# Altium PCB 10515.0501_主板(8拼版)_V1.0-20200907.PcbDoc (part 6 of 6)
Units mm, origin at the board's own origin, x right, y up, seen from the top; angles counter-clockwise.
Board outline 229.4 x 126.82 mm, 2 copper layers (Top Layer, Bottom Layer); 560 components, 0 nets, 2350 pads, 1248 vias.
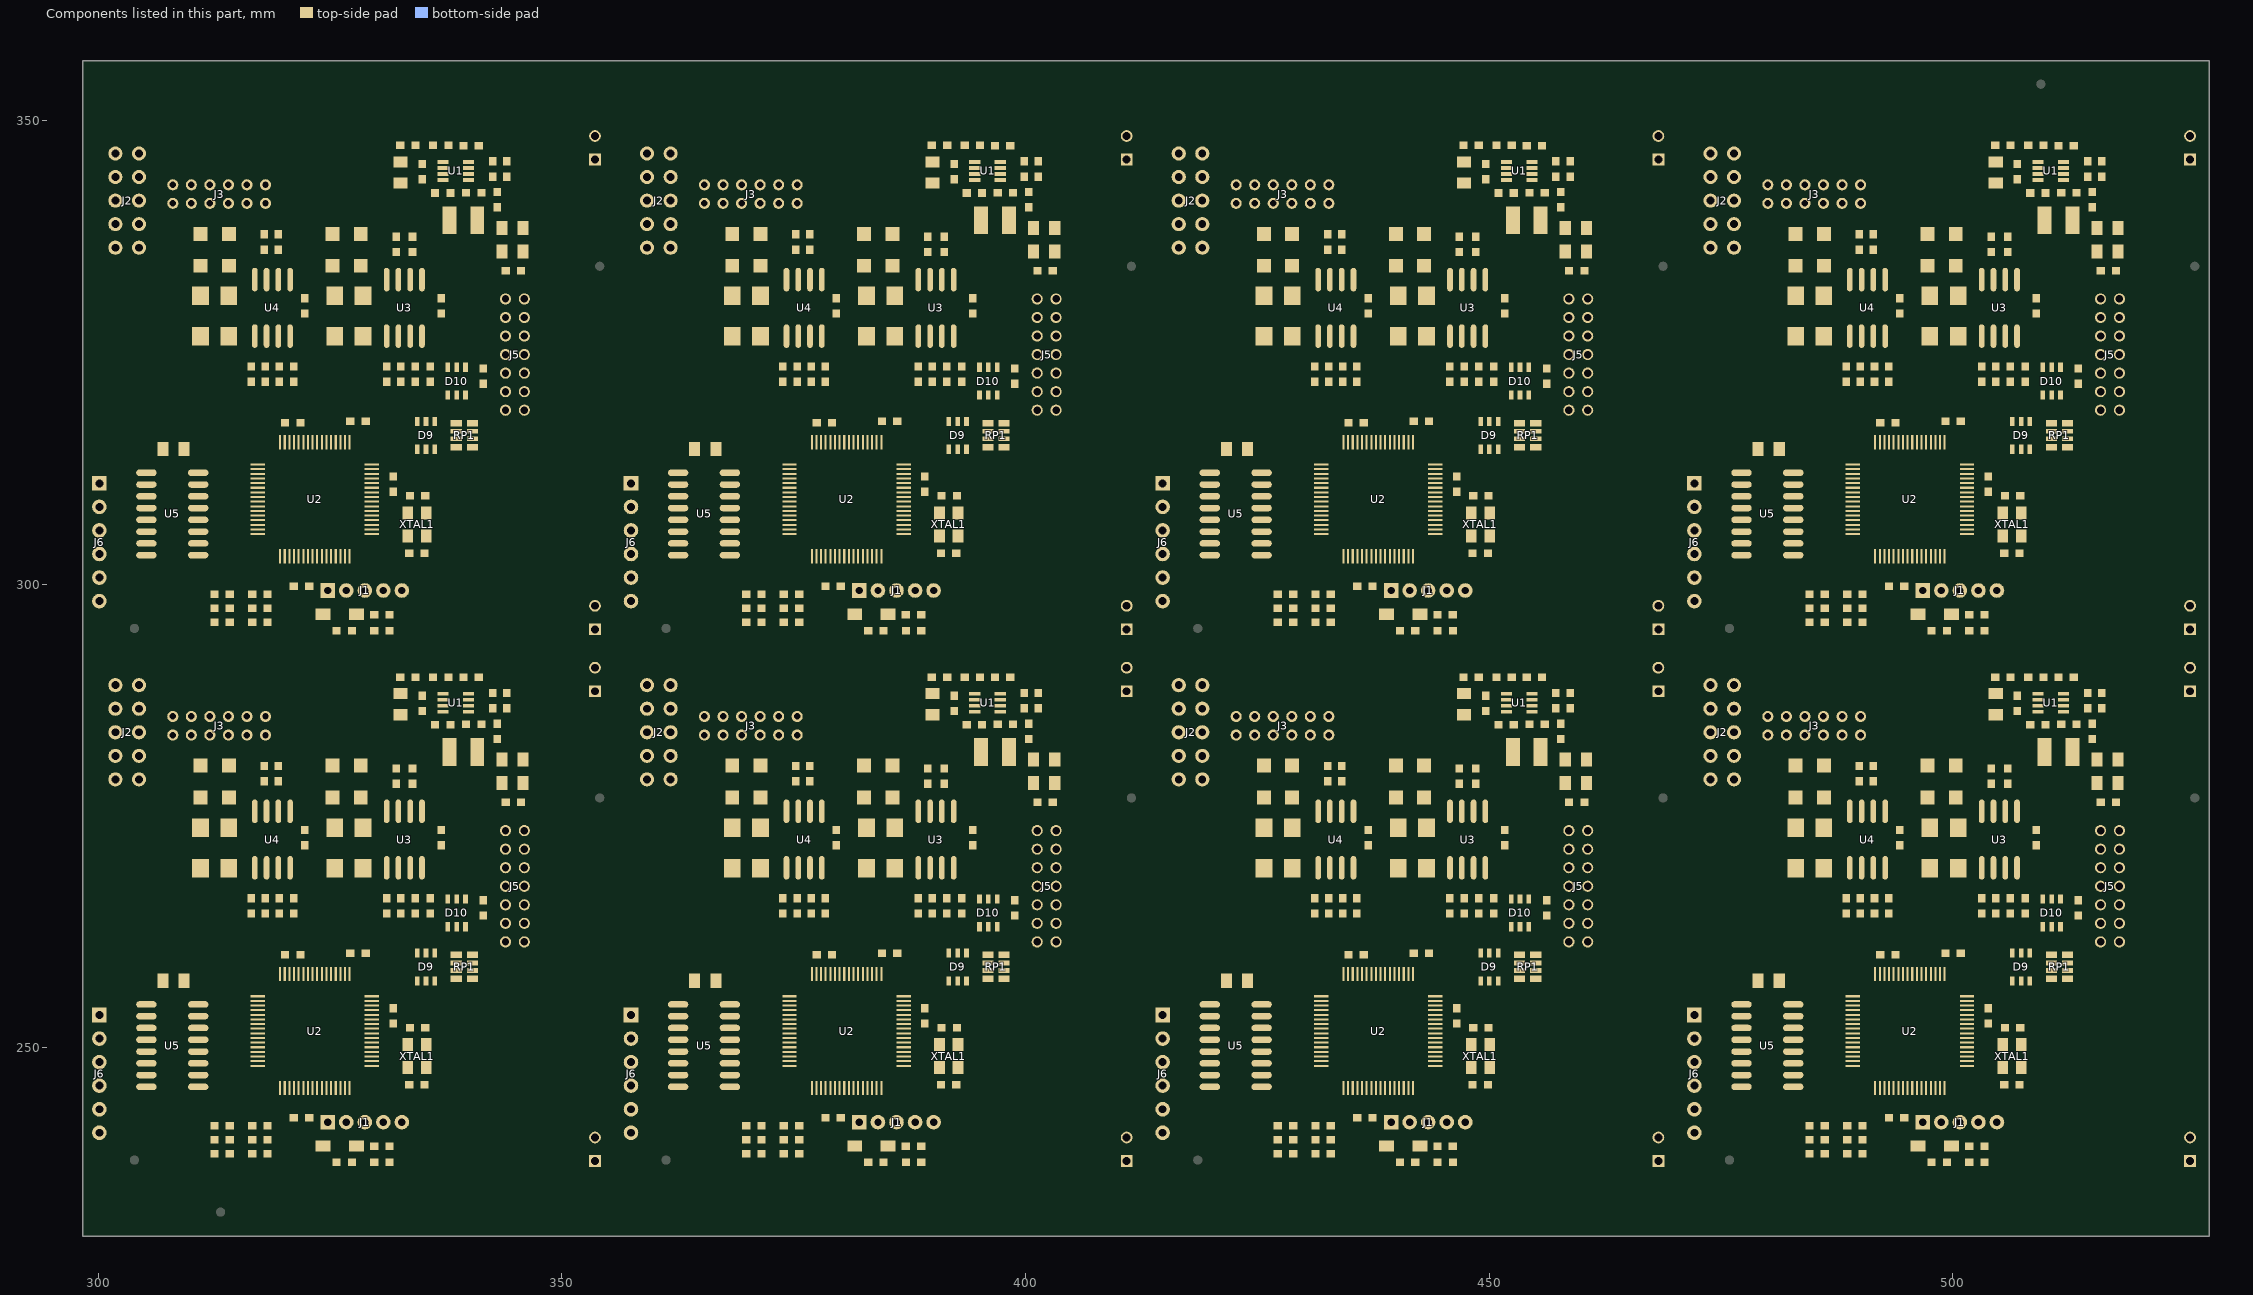
[diagram p6: the components of this part, seen from the top]

## Polygon pours and split planes (outlines as drawn) (continued)
no net on Top Layer "Top Layer-No Net" (hatched 90Degree grid 0.508 track 0.508, remove dead copper, pour order 1001): 470.622,293.981 471.652,292.951 526.385,292.951 527.7,294.266 527.7,348.99 526.388,350.303 471.652,350.303 470.351,349.003 470.351,294.251
no net on Top Layer "Top Layer-No Net" (hatched 90Degree grid 0.508 track 0.508, remove dead copper, pour order 1001): 298.572,236.631 299.602,235.601 354.335,235.601 355.65,236.916 355.65,291.64 354.338,292.953 299.602,292.953 298.301,291.653 298.301,236.901
no net on Top Layer "Top Layer-No Net" (hatched 90Degree grid 0.508 track 0.508, remove dead copper, pour order 1001): 355.922,236.631 356.952,235.601 411.685,235.601 413,236.916 413,291.64 411.688,292.953 356.952,292.953 355.651,291.653 355.651,236.901
no net on Top Layer "Top Layer-No Net" (hatched 90Degree grid 0.508 track 0.508, remove dead copper, pour order 1001): 413.272,236.631 414.302,235.601 469.035,235.601 470.35,236.916 470.35,291.64 469.038,292.953 414.302,292.953 413.001,291.653 413.001,236.901
no net on Top Layer "Top Layer-No Net" (hatched 90Degree grid 0.508 track 0.508, remove dead copper, pour order 1001): 470.622,236.631 471.652,235.601 526.385,235.601 527.7,236.916 527.7,291.64 526.388,292.953 471.652,292.953 470.351,291.653 470.351,236.901

## Keep-outs
Keep-Out Layer:
  circle w0.1: c520.954,353.949 r1
  circle w0.1: c304.038,353.441 r1
  circle w0.1: c303.149,232.283 r1
  circle w0.1: c518.16,232.664 r1
  lines w0.127: 298.299,237.049 298.299,229.665 527.7,229.665 527.7,237.034 ; 298.301,291.77 298.301,291.77 ; 298.301,291.77 299.602,293.07 354.338,293.07 355.653,291.755 ; 298.301,291.77 298.301,273.834 301.951,271.727 303.301,270.377 303.301,269.389 303.301,259.4 303.301,258.412 301.951,257.062 298.301,254.954 298.301,237.019 299.602,235.719 ; 298.301,349.12 298.301,356.489 527.703,356.489 527.703,349.105 ; 298.301,349.12 298.301,349.12 ; 298.301,349.12 299.602,350.42 354.338,350.42 355.653,349.105 ; 298.301,349.12 298.301,331.184 301.951,329.077 303.301,327.727 303.301,326.739 303.301,316.75 303.301,315.762 301.951,314.412 298.301,312.304 298.301,294.369 299.602,293.069 ; 299.602,235.719 299.602,235.719 ; 299.602,235.719 354.338,235.719 354.338,235.721 355.65,237.034 355.653,254.954 352.003,257.062 350.653,258.412 350.653,259.4 350.653,269.389 350.653,270.377 352.003,271.727 355.653,273.834 355.653,291.755 ; 299.602,293.069 299.602,293.069 ; 299.602,293.069 354.338,293.069 354.338,293.071 355.65,294.384 355.653,312.304 352.003,314.412 350.653,315.762 350.653,316.75 350.653,326.739 350.653,327.727 352.003,329.077 355.653,331.184 355.653,349.105 ; 355.651,291.77 355.651,291.77 ; 355.651,291.77 356.952,293.07 411.688,293.07 413.003,291.755 ; 355.651,291.77 355.651,273.834 359.301,271.727 360.651,270.377 360.651,269.389 360.651,259.4 360.651,258.412 359.301,257.062 355.651,254.954 355.651,237.019 356.952,235.719 ; 355.651,349.12 355.651,349.12 ; 355.651,349.12 356.952,350.42 411.688,350.42 413.003,349.105 ; 355.651,349.12 355.651,331.184 359.301,329.077 360.651,327.727 360.651,326.739 360.651,316.75 360.651,315.762 359.301,314.412 355.651,312.304 355.651,294.369 356.952,293.069 ; 355.653,291.755 355.653,291.755 ; 355.653,349.105 355.653,349.105 ; 356.952,235.719 356.952,235.719 ; 356.952,235.719 411.688,235.719 411.688,235.721 413,237.034 413.003,254.954 409.353,257.062 408.003,258.412 408.003,259.4 408.003,269.389 408.003,270.377 409.353,271.727 413.003,273.834 413.003,291.755 ; 356.952,293.069 356.952,293.069 ; 356.952,293.069 411.688,293.069 411.688,293.071 413,294.384 413.003,312.304 409.353,314.412 408.003,315.762 408.003,316.75 408.003,326.739 408.003,327.727 409.353,329.077 413.003,331.184 413.003,349.105 ; 413.001,291.77 413.001,291.77 ; 413.001,291.77 414.302,293.07 469.038,293.07 470.353,291.755 ; 413.001,291.77 413.001,273.834 416.651,271.727 418.001,270.377 418.001,269.389 418.001,259.4 418.001,258.412 416.651,257.062 413.001,254.954 413.001,237.019 414.302,235.719 ; 413.001,349.12 413.001,349.12 ; 413.001,349.12 414.302,350.42 469.038,350.42 470.353,349.105 ; 413.001,349.12 413.001,331.184 416.651,329.077 418.001,327.727 418.001,326.739 418.001,316.75 418.001,315.762 416.651,314.412 413.001,312.304 413.001,294.369 414.302,293.069 ; 413.003,291.755 413.003,291.755 ; 413.003,349.105 413.003,349.105 ; 414.302,235.719 414.302,235.719 ; 414.302,235.719 469.038,235.719 469.038,235.721 470.35,237.034 470.353,254.954 466.703,257.062 465.353,258.412 465.353,259.4 465.353,269.389 465.353,270.377 466.703,271.727 470.353,273.834 470.353,291.755 ; 414.302,293.069 414.302,293.069 ; 414.302,293.069 469.038,293.069 469.038,293.071 470.35,294.384 470.353,312.304 466.703,314.412 465.353,315.762 465.353,316.75 465.353,326.739 465.353,327.727 466.703,329.077 470.353,331.184 470.353,349.105 ; 470.351,291.77 470.351,291.77 ; 470.351,291.77 471.652,293.07 526.388,293.07 527.703,291.755 ; 470.351,291.77 470.351,273.834 474.001,271.727 475.351,270.377 475.351,269.389 475.351,259.4 475.351,258.412 474.001,257.062 470.351,254.954 470.351,237.019 471.652,235.719 ; 470.351,349.12 470.351,349.12 ; 470.351,349.12 471.652,350.42 526.388,350.42 527.703,349.105 ; 470.351,349.12 470.351,331.184 474.001,329.077 475.351,327.727 475.351,326.739 475.351,316.75 475.351,315.762 474.001,314.412 470.351,312.304 470.351,294.369 471.652,293.069 ; 470.353,291.755 470.353,291.755 ; 470.353,349.105 470.353,349.105 ; 471.652,235.719 471.652,235.719 ; 471.652,235.719 526.388,235.719 526.388,235.721 527.7,237.034 ; 471.652,293.069 471.652,293.069 ; 471.652,293.069 526.388,293.069 526.388,293.071 527.7,294.384 527.703,312.304 524.053,314.412 522.703,315.762 522.703,316.75 522.703,326.739 522.703,327.727 524.053,329.077 527.703,331.184 527.703,349.105 ; 527.7,237.034 527.703,254.954 524.053,257.062 522.703,258.412 522.703,259.4 522.703,269.389 522.703,270.377 524.053,271.727 527.703,273.834 527.703,291.755 ; 527.703,291.755 527.703,291.755 ; 527.703,349.105 527.703,349.105

## Other copper
Top Layer:
  pour cut-out: 323.977,334.385 324.739,333.623 327.553,333.623 329.191,335.262 329.191,337.578 329.057,337.712 324.129,337.712 323.977,337.56
  pour cut-out: 309.753,331.845 310.261,331.337 314.96,331.337 315.087,331.464 315.087,337.178 309.754,337.178 309.753,337.179
  pour cut-out: 309.499,329.94 309.499,326.13 309.753,325.876 314.579,325.876 315.087,326.384 315.087,329.686 315.341,329.94
  pour cut-out: 320.548,331.972 321.945,330.575 321.945,329.686 320.675,328.416 317.246,328.416 315.849,329.813 317.119,331.083 317.119,331.972
  pour cut-out: 323.977,330.448 323.977,327.654 324.739,326.892 329.311,326.892 329.692,327.273 329.692,330.321 324.292,330.321 324.231,330.382
  pour cut-out: 328.803,305.048 327.533,303.778 327.533,300.857 327.93,301.254 329.057,301.254 329.565,301.762 329.565,305.175 329.057,305.175 329.057,305.429
  pour cut-out: 321.691,299.968 324.104,299.968 324.485,299.587 324.485,298.551 323.997,298.063 322.326,298.063 322.199,297.936 321.691,298.444
  pour cut-out: 381.327,334.385 382.089,333.623 384.903,333.623 386.541,335.262 386.541,337.578 386.407,337.712 381.479,337.712 381.327,337.56
  pour cut-out: 367.103,331.845 367.611,331.337 372.31,331.337 372.437,331.464 372.437,337.178 367.104,337.178 367.103,337.179
  pour cut-out: 366.849,329.94 366.849,326.13 367.103,325.876 371.929,325.876 372.437,326.384 372.437,329.686 372.691,329.94
  pour cut-out: 377.898,331.972 379.295,330.575 379.295,329.686 378.025,328.416 374.596,328.416 373.199,329.813 374.469,331.083 374.469,331.972
  pour cut-out: 381.327,330.448 381.327,327.654 382.089,326.892 386.661,326.892 387.042,327.273 387.042,330.321 381.642,330.321 381.581,330.382
  pour cut-out: 386.153,305.048 384.883,303.778 384.883,300.857 385.28,301.254 386.407,301.254 386.915,301.762 386.915,305.175 386.407,305.175 386.407,305.429
  pour cut-out: 379.041,299.968 381.454,299.968 381.835,299.587 381.835,298.551 381.347,298.063 379.676,298.063 379.549,297.936 379.041,298.444
  pour cut-out: 438.677,334.385 439.439,333.623 442.253,333.623 443.891,335.262 443.891,337.578 443.757,337.712 438.829,337.712 438.677,337.56
  pour cut-out: 424.453,331.845 424.961,331.337 429.66,331.337 429.787,331.464 429.787,337.178 424.454,337.178 424.453,337.179
  pour cut-out: 424.199,329.94 424.199,326.13 424.453,325.876 429.279,325.876 429.787,326.384 429.787,329.686 430.041,329.94
  pour cut-out: 435.248,331.972 436.645,330.575 436.645,329.686 435.375,328.416 431.946,328.416 430.549,329.813 431.819,331.083 431.819,331.972
  pour cut-out: 438.677,330.448 438.677,327.654 439.439,326.892 444.011,326.892 444.392,327.273 444.392,330.321 438.992,330.321 438.931,330.382
  pour cut-out: 443.503,305.048 442.233,303.778 442.233,300.857 442.63,301.254 443.757,301.254 444.265,301.762 444.265,305.175 443.757,305.175 443.757,305.429
  pour cut-out: 436.391,299.968 438.804,299.968 439.185,299.587 439.185,298.551 438.697,298.063 437.026,298.063 436.899,297.936 436.391,298.444
  pour cut-out: 496.027,334.385 496.789,333.623 499.603,333.623 501.241,335.262 501.241,337.578 501.107,337.712 496.179,337.712 496.027,337.56
  pour cut-out: 481.803,331.845 482.311,331.337 487.01,331.337 487.137,331.464 487.137,337.178 481.804,337.178 481.803,337.179
  pour cut-out: 481.549,329.94 481.549,326.13 481.803,325.876 486.629,325.876 487.137,326.384 487.137,329.686 487.391,329.94
  pour cut-out: 492.598,331.972 493.995,330.575 493.995,329.686 492.725,328.416 489.296,328.416 487.899,329.813 489.169,331.083 489.169,331.972
  pour cut-out: 496.027,330.448 496.027,327.654 496.789,326.892 501.361,326.892 501.742,327.273 501.742,330.321 496.342,330.321 496.281,330.382
  pour cut-out: 500.853,305.048 499.583,303.778 499.583,300.857 499.98,301.254 501.107,301.254 501.615,301.762 501.615,305.175 501.107,305.175 501.107,305.429
  pour cut-out: 493.741,299.968 496.154,299.968 496.535,299.587 496.535,298.551 496.047,298.063 494.376,298.063 494.249,297.936 493.741,298.444
  pour cut-out: 323.977,277.035 324.739,276.273 327.553,276.273 329.191,277.912 329.191,280.228 329.057,280.362 324.129,280.362 323.977,280.21
  pour cut-out: 309.753,274.495 310.261,273.987 314.96,273.987 315.087,274.114 315.087,279.828 309.754,279.828 309.753,279.829
  pour cut-out: 309.499,272.59 309.499,268.78 309.753,268.526 314.579,268.526 315.087,269.034 315.087,272.336 315.341,272.59
  pour cut-out: 320.548,274.622 321.945,273.225 321.945,272.336 320.675,271.066 317.246,271.066 315.849,272.463 317.119,273.733 317.119,274.622
  pour cut-out: 323.977,273.098 323.977,270.304 324.739,269.542 329.311,269.542 329.692,269.923 329.692,272.971 324.292,272.971 324.231,273.032
  pour cut-out: 328.803,247.698 327.533,246.428 327.533,243.507 327.93,243.904 329.057,243.904 329.565,244.412 329.565,247.825 329.057,247.825 329.057,248.079
  pour cut-out: 321.691,242.618 324.104,242.618 324.485,242.237 324.485,241.201 323.997,240.713 322.326,240.713 322.199,240.586 321.691,241.094
  pour cut-out: 381.327,277.035 382.089,276.273 384.903,276.273 386.541,277.912 386.541,280.228 386.407,280.362 381.479,280.362 381.327,280.21
  pour cut-out: 367.103,274.495 367.611,273.987 372.31,273.987 372.437,274.114 372.437,279.828 367.104,279.828 367.103,279.829
  pour cut-out: 366.849,272.59 366.849,268.78 367.103,268.526 371.929,268.526 372.437,269.034 372.437,272.336 372.691,272.59
  pour cut-out: 377.898,274.622 379.295,273.225 379.295,272.336 378.025,271.066 374.596,271.066 373.199,272.463 374.469,273.733 374.469,274.622
  pour cut-out: 381.327,273.098 381.327,270.304 382.089,269.542 386.661,269.542 387.042,269.923 387.042,272.971 381.642,272.971 381.581,273.032
  pour cut-out: 386.153,247.698 384.883,246.428 384.883,243.507 385.28,243.904 386.407,243.904 386.915,244.412 386.915,247.825 386.407,247.825 386.407,248.079
  pour cut-out: 379.041,242.618 381.454,242.618 381.835,242.237 381.835,241.201 381.347,240.713 379.676,240.713 379.549,240.586 379.041,241.094
  pour cut-out: 438.677,277.035 439.439,276.273 442.253,276.273 443.891,277.912 443.891,280.228 443.757,280.362 438.829,280.362 438.677,280.21
  pour cut-out: 424.453,274.495 424.961,273.987 429.66,273.987 429.787,274.114 429.787,279.828 424.454,279.828 424.453,279.829
  pour cut-out: 424.199,272.59 424.199,268.78 424.453,268.526 429.279,268.526 429.787,269.034 429.787,272.336 430.041,272.59
  pour cut-out: 435.248,274.622 436.645,273.225 436.645,272.336 435.375,271.066 431.946,271.066 430.549,272.463 431.819,273.733 431.819,274.622
  pour cut-out: 438.677,273.098 438.677,270.304 439.439,269.542 444.011,269.542 444.392,269.923 444.392,272.971 438.992,272.971 438.931,273.032
  pour cut-out: 443.503,247.698 442.233,246.428 442.233,243.507 442.63,243.904 443.757,243.904 444.265,244.412 444.265,247.825 443.757,247.825 443.757,248.079
  pour cut-out: 436.391,242.618 438.804,242.618 439.185,242.237 439.185,241.201 438.697,240.713 437.026,240.713 436.899,240.586 436.391,241.094
  pour cut-out: 496.027,277.035 496.789,276.273 499.603,276.273 501.241,277.912 501.241,280.228 501.107,280.362 496.179,280.362 496.027,280.21
  pour cut-out: 481.803,274.495 482.311,273.987 487.01,273.987 487.137,274.114 487.137,279.828 481.804,279.828 481.803,279.829
  pour cut-out: 481.549,272.59 481.549,268.78 481.803,268.526 486.629,268.526 487.137,269.034 487.137,272.336 487.391,272.59
  pour cut-out: 492.598,274.622 493.995,273.225 493.995,272.336 492.725,271.066 489.296,271.066 487.899,272.463 489.169,273.733 489.169,274.622
  pour cut-out: 496.027,273.098 496.027,270.304 496.789,269.542 501.361,269.542 501.742,269.923 501.742,272.971 496.342,272.971 496.281,273.032
  pour cut-out: 500.853,247.698 499.583,246.428 499.583,243.507 499.98,243.904 501.107,243.904 501.615,244.412 501.615,247.825 501.107,247.825 501.107,248.079
  pour cut-out: 493.741,242.618 496.154,242.618 496.535,242.237 496.535,241.201 496.047,240.713 494.376,240.713 494.249,240.586 493.741,241.094

## Silkscreen, mask and mechanical layers (free items; w line width, h text height)
Top Overlay:
  rectangle: 352.298,293.872 354.838,298.952
  rectangle: 352.298,344.545 354.838,349.625
  rectangle: 409.648,293.872 412.188,298.952
  rectangle: 409.648,344.545 412.188,349.625
  rectangle: 466.998,293.872 469.538,298.952
  rectangle: 466.998,344.545 469.538,349.625
  rectangle: 524.348,293.872 526.888,298.952
  rectangle: 524.348,344.545 526.888,349.625
  rectangle: 352.298,236.522 354.838,241.602
  rectangle: 352.298,287.195 354.838,292.275
  rectangle: 409.648,236.522 412.188,241.602
  rectangle: 409.648,287.195 412.188,292.275
  rectangle: 466.998,236.522 469.538,241.602
  rectangle: 466.998,287.195 469.538,292.275
  rectangle: 524.348,236.522 526.888,241.602
  rectangle: 524.348,287.195 526.888,292.275
  text "10515.0501_主板-V1.0" at 339.217,303.905 h1.5
  text "10515.0501_主板-V1.0" at 396.567,303.905 h1.5
  text "10515.0501_主板-V1.0" at 453.917,303.905 h1.5
  text "10515.0501_主板-V1.0" at 511.267,303.905 h1.5
  text "20200905H1.2Sn" at 339.979,302 h1.5
  text "20200905H1.2Sn" at 397.329,302 h1.5
  text "20200905H1.2Sn" at 454.679,302 h1.5
  text "20200905H1.2Sn" at 512.029,302 h1.5
  text "10515.0501_主板-V1.0" at 339.217,246.555 h1.5
  text "10515.0501_主板-V1.0" at 396.567,246.555 h1.5
  text "10515.0501_主板-V1.0" at 453.917,246.555 h1.5
  text "10515.0501_主板-V1.0" at 511.267,246.555 h1.5
  text "20200905H1.2Sn" at 339.979,244.65 h1.5
  text "20200905H1.2Sn" at 397.329,244.65 h1.5
  text "20200905H1.2Sn" at 454.679,244.65 h1.5
  text "20200905H1.2Sn" at 512.029,244.65 h1.5
Bottom Overlay:
  drawing of 304 lines, arcs and shapes, not listed